# Allegro board Lay-45699_A.brd (continued)
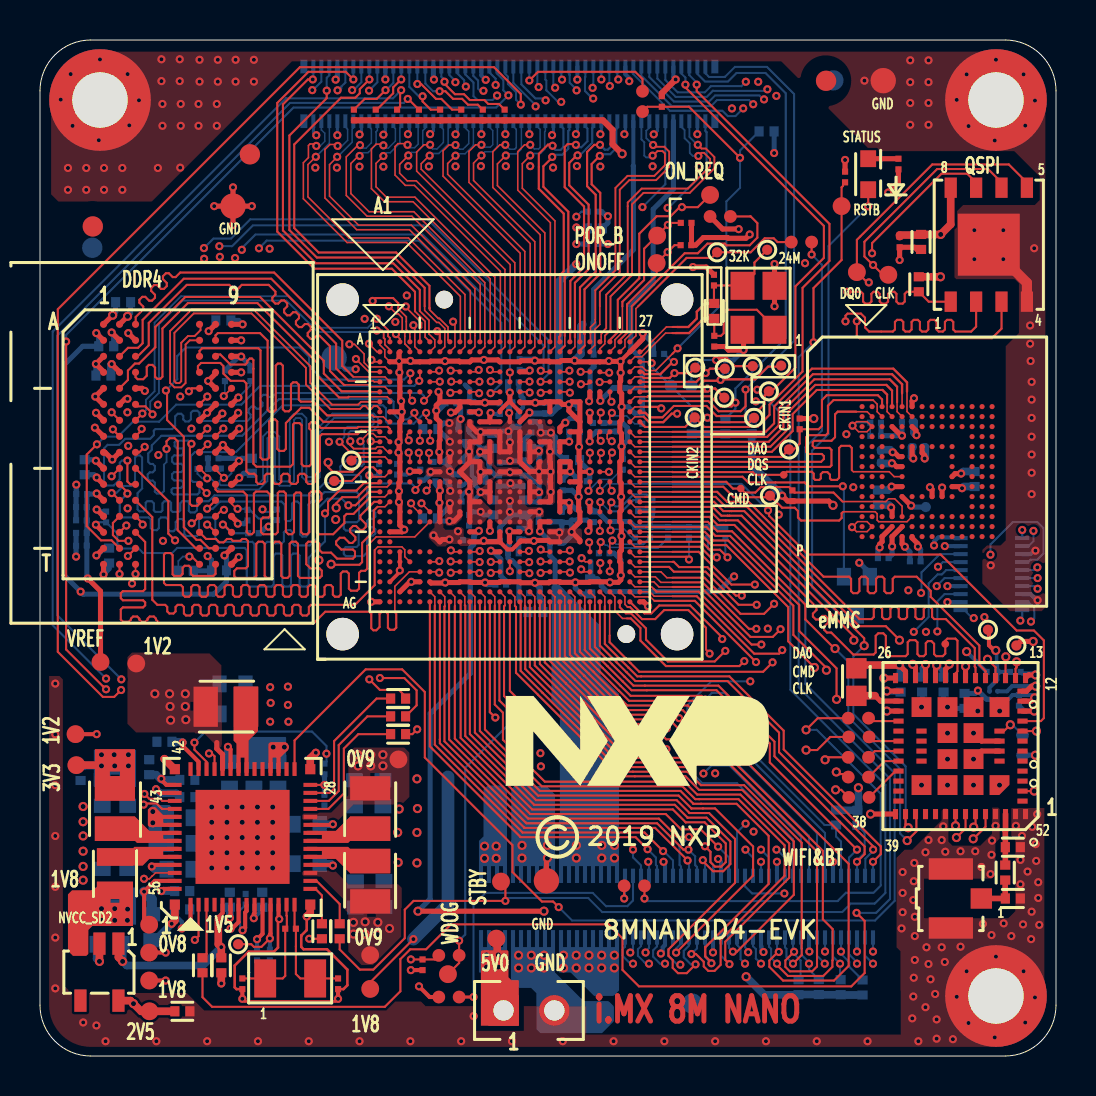
[diagram p0: board, top side]
## Routing (per net, layer and track width the routed paths; a pad name or vN(x,y) marks a point on that pad's centre or on a via; arc(x,y) is an arc through that point) (continued)
ENET_RX_CTL: length 21.9
  TOP w0.076: U1.AF27 30.49,23.21 30.71,22.99 31.63,22.99
  TOP w0.104: v1(37.11,20.3) 37.11,20.27 36.96,20.12 35.71,20.12 32.84,22.99 31.63,22.99
  L3_IN1 w0.081: v1(37.11,20.3) 37.76,20.3 39.32,21.86 45.35,21.86 45.74,21.46 48.71,21.46 v1(49.02,21.77)
  BOTTOM w0.104: J7.2 49.11,21.86 v1(49.02,21.77)
ENET_RXC: length 23.8
  TOP w0.076: 30.68,23.36 30.58,23.46 29.74,23.46 U1.AE26
  TOP w0.104: 30.68,23.36 30.82,23.22 32.93,23.22 35.58,20.57 v1(36.07,20.57)
  L3_IN1 w0.081: v1(36.07,20.57) 36.4,20.9 37.56,20.9 38.98,22.32 48.98,22.32 49.55,21.76 v1(49.55,21.72)
  BOTTOM w0.104: J7.4 49.43,22.7 49.71,22.41 49.71,21.89 v1(49.55,21.72)
ENET_TD0: length 19.1
  TOP w0.104: v1(34.11,20.85) 34.1,20.86 34.1,20.94 32.51,22.53 30.96,22.53 30.56,22.13 30.22,22.13 30.12,22.24 29.97,22.24 29.5,22.71 U1.AG26
  L3_IN1 w0.081: v1(44.84,23.49) 44.68,23.66 43.22,23.66 42.74,23.18 38.37,23.18 37.22,22.03 35.27,22.03 34.11,20.87 v1(34.11,20.85)
  BOTTOM w0.104: v1(44.84,23.49) 44.84,23.5 45.23,23.9 J7.9
ENET_TD1: length 21.4
  TOP w0.076: 30.72,22.76 30.52,22.96 29.74,22.96 U1.AF26
  TOP w0.104: 30.72,22.76 32.74,22.76 v1(35.8,19.7)
  L3_IN1 w0.081: v1(35.8,19.7) 35.84,19.66 35.84,19.61 36.13,19.31 37.63,19.31 39.73,21.41 43.49,21.41 v1(43.69,21.21)
  BOTTOM w0.104: J7.11 45.31,24.3 45.09,24.08 44.88,24.08 44.44,23.63 44.44,21.96 v1(43.69,21.21)
ENET_TD2: length 22.1
  TOP w0.104: v1(34.26,20.26) 33.74,19.73 31.39,19.73 30.3,20.82 30.3,21.38 29.55,22.13 29.3,22.13 28.99,22.44 U1.AG25
  L3_IN1 w0.081: v1(34.26,20.26) 34.18,20.26 33.73,20.71 33.73,21.02 35.64,22.93 36.49,22.93 37.52,23.96 41.73,23.96 42.24,24.46 v1(44.9,24.46)
  BOTTOM w0.104: J7.13 45.14,24.7 44.97,24.52 44.96,24.52 v1(44.9,24.46)
ENET_TD3: length 22.8
  TOP w0.076: 29.38,22.45 29.25,22.58 29.25,22.96 U1.AF25
  TOP w0.104: v1(33.48,20.12) 33.48,20.14 33.3,20.32 33.3,21.41 32.42,22.29 31.21,22.29 30.76,21.84 30.1,21.84 29.5,22.45 29.38,22.45
  L3_IN1 w0.081: v1(33.48,20.12) 33.5,20.09 33.5,20.08 33.69,19.89 34.42,19.89 34.64,20.1 34.64,20.7 35.76,21.82 37.48,21.82 38.57,22.92 43.87,22.92 44.05,23.1 v1(44.05,23.15)
  BOTTOM w0.104: J7.15 44.99,25.1 44.07,24.18 44.07,23.17 v1(44.05,23.15)
ENET_TX_CTL: length 22.5
  TOP w0.076: 29.36,21.88 29.13,21.88 28.75,22.26 28.75,22.96 U1.AF24
  TOP w0.104: v1(35.21,19.74) 34.97,19.5 31.3,19.5 30.02,20.77 30.02,21.4 29.54,21.88 29.36,21.88
  L3_IN1 w0.081: v1(35.21,19.74) 35.57,20.1 36.31,20.1 36.88,20.68 37.79,20.68 39.17,22.06 46.52,22.06 v1(46.69,21.9)
  BOTTOM w0.104: v1(46.69,21.9) 46.61,21.9 46.21,22.3 J7.1
ENET_TXC: length 23
  TOP w0.076: 28.48,21.02 28.48,22.7 U1.AG24
  TOP w0.104: 28.48,21.02 28.48,20.69 29.29,19.88 29.29,19.88 29.52,19.65 29.52,19.65 29.96,19.21 36.16,19.21 v1(36.63,19.68)
  L3_IN1 w0.081: v1(44.87,21.23) 44.48,21.62 39.52,21.62 37.59,19.68 v1(36.63,19.68)
  BOTTOM w0.104: J7.5 45.23,23.1 44.87,22.73 v1(44.87,21.23)
GPIO1_IO01: length 29.2
  TOP w0.076: U1.AF14 23.74,22.96 23.74,22.51
  TOP w0.104: 23.74,22.51 23.8,22.45 23.8,19.16 24.9,18.06 24.9,18.06 27.7,15.26 28.98,13.98 29.74,13.98 32.28,13.98 32.96,13.3 35.12,13.3 37.69,10.73 37.69,8.06 34.85,5.22 v1(34.65,5.22)
  BOTTOM w0.104: v1(34.65,5.22) 34.45,5.41 J5.64
GPIO1_IO05: length 33.1
  TOP w0.076: U1.AF12 22.74,22.96 22.74,22.52
  TOP w0.104: 22.74,22.52 22.74,17.57 23.15,17.17 23.15,15.81 25.24,13.72 32.22,13.72 32.86,13.07 35.02,13.07 37.46,10.63 37.46,8.91 34.26,5.71 34.26,4.8 v1(34.47,4.59)
  BOTTOM w0.104: J5.62 34.05,5.02 v1(34.47,4.59)
GPIO1_IO06: length 32.3
  TOP w0.104: U1.AG11 21.99,16.25 24.99,13.25 32.02,13.25 32.67,12.61 34.83,12.61 36.43,11.01 36.43,8.6 33.51,5.68
  TOP w0.114: v1(33.57,4.64) 33.57,4.68 33.26,4.99 33.26,5.43 33.51,5.68
  BOTTOM w0.104: v1(33.57,4.64) 33.25,4.96 J5.58
GPIO1_IO07: length 34.7
  TOP w0.076: U1.AF11 22.25,22.96 22.25,22.47
  TOP w0.104: 22.25,22.47 22.25,16.33 25.09,13.49 32.12,13.49 32.76,12.84 32.96,12.84 34.92,12.84 37.23,10.54 37.23,9.01 34.03,5.81 34.03,4.56 33.73,4.26 33.41,4.26 33.19,4.48 33.19,4.71 32.8,5.1 v1(32.57,5.1)
  BOTTOM w0.104: J5.56 32.85,5.38 v1(32.57,5.1)
GPIO1_IO08: length 33.2
  TOP w0.104: v1(32.78,4.58) 32.34,4.14 31.9,4.14 31.63,4.41 31.63,4.8 31.42,5.01 31.42,5.33 34.75,8.66 34.75,10.85 33.46,12.15 33.24,12.15 32.48,12.15 31.83,12.79 24.8,12.79 21.49,16.1 U1.AG10
  BOTTOM w0.104: v1(32.78,4.58) 32.54,4.58 32.19,4.93 32.19,5.26 32.45,5.52 J5.54
GPIO1_IO09: length 31.2
  TOP w0.076: U1.AF10 21.74,22.96 21.74,22.5
  TOP w0.104: v1(31.81,5.17) 35.65,9.02 35.65,10.48 33.75,12.38 33.15,12.38 32.57,12.38 31.93,13.02 24.9,13.02 21.74,16.17 21.74,22.5
  BOTTOM w0.104: v1(31.81,5.17) 31.81,5.37 32.05,5.62 J5.52
GPIO1_IO10: length 29.2
  TOP w0.076: U1.AD10 21.9,24.21 v1(21.97,24.15)
  L3_IN1 w0.081: v1(21.97,24.15) 21.91,24.09 21.91,21.9 28.21,15.59 28.21,15.19 31.66,11.74 33.45,11.74 34.49,10.71 34.49,9.47 32.2,7.18 32.2,4.75 v1(32.02,4.57)
  BOTTOM w0.104: J5.50 31.65,5.55 31.42,5.33 31.42,5.01 31.86,4.57 v1(32.02,4.57)
GPIO1_IO11: length 30
  TOP w0.076: v1(21.98,24.7) 21.97,24.71 U1.AC10
  L3_IN1 w0.081: v1(31.25,4.62) 31.43,4.8 31.43,6.85 34.28,9.7 34.28,10.62 33.37,11.53 31.58,11.53 28,15.11 28,15.51 21.62,21.89 21.62,24.34 v1(21.98,24.7)
  BOTTOM w0.104: J5.46 30.85,5.48 30.66,5.29 30.66,4.96 31,4.62 v1(31.25,4.62)
GPIO1_IO12: length 28
  TOP w0.076: U1.AB10 21.95,25.21 v1(21.98,25.25)
  L3_IN1 w0.081: v1(21.98,25.25) 21.46,24.72 21.46,21.75 27.79,15.42 27.79,15.02 31.49,11.32 32.6,11.32 32.82,11.11 32.82,9.99 32.77,9.94 32.77,8.74 30.28,6.25 v1(30.28,5.17)
  BOTTOM w0.104: J5.44 30.45,5.41 30.28,5.23 v1(30.28,5.17)
GPIO1_IO13: length 28.9
  TOP w0.076: U1.AD9 20.58,24.21 v1(20.54,24.16)
  L3_IN1 w0.081: v1(30.45,4.62) 30.08,4.24 29.5,4.24 29.14,4.6 29.14,6.27 31.55,8.67 31.55,10.38 27.17,14.76 27.17,15.12 20.67,21.62 20.67,24.03 v1(20.54,24.16)
  BOTTOM w0.104: v1(30.45,4.62) 30.29,4.62 29.9,5.01 29.9,5.34 30.05,5.49 J5.42
GPIO1_IO14: length 26.4
  TOP w0.076: v1(20.53,24.73) 20.55,24.71 U1.AC9
  L3_IN1 w0.081: v1(20.53,24.73) 20.92,24.34 20.92,21.71 27.38,15.25 27.38,14.85 31.76,10.47 31.76,10.29 31.76,8.46 29.51,6.22 v1(29.51,5.17)
  BOTTOM w0.104: J5.40 29.65,5.31 v1(29.51,5.17)
GPIO1_IO15: length 28.5
  TOP w0.076: U1.AB9 20.61,25.21 v1(20.54,25.28)
  L3_IN1 w0.081: v1(29.65,4.62) 29.9,4.87 29.9,6.23 31.96,8.29 31.96,10.2 31.96,10.2 31.96,10.38 31.96,10.55 27.59,14.93 27.59,15.33 21.13,21.79 21.13,24.69 v1(20.54,25.28)
  BOTTOM w0.104: J5.38 29.25,5.46 29.13,5.34 29.13,5.01 29.52,4.62 v1(29.65,4.62)
I2C1_SCL: length 81.8
  TOP w0.076: U1.E9 20.57,33.71 v1(20.56,33.72)
  TOP w0.104: R10.2 18.01,47.47 18.01,48.24 v1(18.06,48.29) ; v1(16.99,18.9) 18.21,18.9 18.83,18.28 18.83,17.53 R48.1
  L3_IN1 w0.081: v1(3.3,18.87) 3.64,19.2 16.69,19.2 v1(16.99,18.9) ; v1(18.06,48.29) 18.06,48.26 17.19,47.39 15.7,47.39 14.46,46.16 14.46,44.06 15.93,42.59 18.54,42.59 21.58,39.55 21.58,36.13 20.97,35.53 20.97,34.13 v1(20.56,33.72)
  BOTTOM w0.104: v1(18.06,48.29) 17.65,47.88 12.3,47.88 0.64,36.22 0.64,21.54 v1(3.3,18.87)
I2C1_SDA: length 74.2
  TOP w0.076: U1.F9 20.57,33.21 v1(20.52,33.16)
  TOP w0.104: R54.1 18.28,17.97 17.95,18.3 16.99,18.3 v1(16.47,18.83) ; v1(18.39,47.85) 18.41,47.85 R11.2
  L3_IN1 w0.081: v1(20.52,33.16) 20.54,33.16 21.21,33.83 21.21,35.31 21.85,35.94 21.85,39.8 17.75,43.9 17.75,47.22 v1(18.39,47.85) ; v1(4.07,18.83) 4.17,18.94 16.36,18.94 v1(16.47,18.83)
  BOTTOM w0.104: v1(18.39,47.85) 18.19,47.65 12.5,47.65 0.87,36.02 0.87,22.03 v1(4.07,18.83)
I2C2_SCL: length 23.9
  TOP w0.076: v1(21.94,34.3) 21.84,34.21 U1.D10
  TOP w0.104: v1(17.28,48.29) 16.84,47.86 16.23,47.86 R12.2
  L3_IN1 w0.081: v1(17.28,48.29) 16.86,48.71 16.86,48.95 17.11,49.2 18.79,49.2 19.5,48.49 19.5,47.24 19.07,46.81 19.07,43.95 22.63,40.39 22.63,35.77 21.85,34.99 21.85,34.38 21.93,34.3 v1(21.94,34.3)
  BOTTOM w0.104: v1(17.28,48.29) 17.3,48.29 17.67,48.66 J4.22
I2C2_SDA: length 24.9
  TOP w0.076: U1.D9 20.93,34.27 v1(20.53,34.27)
  TOP w0.104: R13.2 16.84,47.32 17.66,48.13 17.66,48.43 18.05,48.83 v1(18.06,48.83)
  L3_IN1 w0.081: v1(18.06,48.83) 18.06,48.82 17.65,48.41 17.65,48.14 17.11,47.6 15.61,47.6 14.23,46.22 14.23,44 15.99,42.24 18.33,42.24 21.33,39.24 21.33,36.31 20.63,35.62 20.63,34.37 v1(20.53,34.27)
  BOTTOM w0.104: v1(18.06,48.83) 18.07,48.83 J4.24
I2C3_SCL: length 20
  TOP w0.076: U1.E10 21.96,33.71 v1(21.97,33.72)
  TOP w0.104: R14.2 19.54,47.32 19.13,47.73 v1(19.13,47.98)
  L3_IN1 w0.081: v1(19.13,47.98) 19.13,47.4 18.79,47.07 18.79,43.72 22.33,40.19 22.33,35.73 21.59,34.99 21.59,34.09 v1(21.97,33.72)
  BOTTOM w0.104: v1(19.13,47.98) 18.94,47.98 18.47,48.46 J4.26
I2C3_SDA: length 22.1
  TOP w0.076: v1(21.96,33.14) 21.89,33.21 U1.F10
  TOP w0.104: R15.2 20.6,47.32 20.07,47.86 19.8,47.86 19.06,48.6 v1(18.87,48.6)
  L3_IN1 w0.081: v1(21.96,33.14) 21.41,33.68 21.41,35.07 22.06,35.72 22.06,40.03 17.98,44.11 17.98,46.92 18.76,47.7 18.76,48.49 v1(18.87,48.6)
  BOTTOM w0.104: v1(18.87,48.6) J4.28
I2C4_SCL: length 20.1
  TOP w0.076: U1.D13 22.59,34.21 v1(22.5,34.3)
  TOP w0.104: R16.2 21.89,47.57 21.4,47.57 21.11,47.86 20.65,47.86 20.27,48.24 v1(19.98,48.24)
  L3_IN1 w0.081: v1(19.98,48.24) 20.06,48.15 20.06,43.53 22.87,40.72 22.87,34.68 v1(22.5,34.3)
  BOTTOM w0.104: v1(19.98,48.24) 19.65,48.24 19.27,48.62 J4.30
I2C4_SDA: length 21.4
  TOP w0.076: U1.E13 22.56,33.71 v1(22.54,33.73)
  TOP w0.104: v1(20.22,48.71) 20.22,48.61 20.75,48.09 21.2,48.09 21.49,47.8 22.22,47.8 22.41,47.6 22.95,47.6 R17.2
  L3_IN1 w0.081: v1(20.22,48.71) 20.35,48.58 20.35,43.92 23.13,41.15 23.13,34.3 22.56,33.73 v1(22.54,33.73)
  BOTTOM w0.104: J4.34 20.07,48.97 20.22,48.81 v1(20.22,48.71)
INTLDO_1V5: length 4.1
  TOP w0.104: v1(11.49,5.88) 11.07,5.46 10.69,5.46 10.56,5.59 TP52.1
  TOP w0.203: U8.11 11.53,6.11 11.49,6.07 v1(11.49,5.88)
  BOTTOM w0.203: C273.1 v1(11.49,5.88)
JTAG_MOD: length 2.7
  TOP w0.114: U1.D27 30.12,34.21 30.23,34.1 31.02,34.1 31.63,34.7 v1(31.7,34.7)
  BOTTOM w0.104: R23.1 31.61,34.7 v1(31.7,34.7)
JTAG_NTRST: length 25
  TOP w0.114: TP1.1 34.73,34.49 34.32,34.9 33.91,34.9 v1(33.81,34.8)
  L3_IN1 w0.081: v1(26.06,47.71) 26.89,46.88 27.12,46.88 27.54,46.46 28.17,46.46 28.6,46.03 28.6,44.71 29.24,44.07 32.47,44.07 33.64,42.89 33.64,34.96 v1(33.81,34.8)
  BOTTOM w0.104: J4.60 25.27,48.82 25.32,48.77 25.32,48.29 25.9,47.71 v1(26.06,47.71) ; v1(33.81,34.8) 33.04,34.8 32.56,34.32 R155.2
JTAG_SEL: length 1.5
  TOP w0.104: v2(48.52,16.56) 48.2,16.25 U6.57
  BOTTOM w0.104: v2(48.52,16.56) 48.62,16.56 R154.1
JTAG_TCK: length 29.8
  TOP w0.076: U1.F26 29.74,33.46 30.24,33.46
  TOP w0.104: 35.76,33.83 36.4,34.47 37.01,34.47 TP4.1 ; 30.25,33.47 32.92,33.47
  TOP w0.114: 30.24,33.46 30.25,33.47 ; 35.76,33.83 34.06,33.83 v1(34.03,33.8) 33.98,33.76 33.21,33.76 32.92,33.47
  L3_IN1 w0.081: v1(25.76,48.41) 25.88,48.41 27.2,47.09 27.21,47.09 27.63,46.67 30.63,46.67 31.87,45.43 31.87,44.96 33.85,42.98 33.85,35.36 34.24,34.98 34.24,34.02 v1(34.03,33.8)
  BOTTOM w0.104: v1(34.03,33.8) 34.03,33.97 R18.1 ; v1(25.76,48.41) 25.67,48.5 J4.62
JTAG_TDI: length 26.8
  TOP w0.104: 32.81,33.7 30,33.7 U1.E27
  TOP w0.114: 32.81,33.7 33.26,34.15 v1(33.28,34.15) 33.5,34.37 TP2.1
  L3_IN1 w0.081: v1(33.28,34.15) 33.23,34.21 33.23,42.72 32.3,43.65 27.78,43.65 27.31,44.12 27.31,46.11 26.95,46.46 26.49,46.46 25.3,47.65 25.3,47.77 v1(25.28,47.78)
  BOTTOM w0.104: J4.54 24.07,48.58 24.77,47.88 25.19,47.88 v1(25.28,47.78)
JTAG_TDO: length 26.6
  TOP w0.076: U1.E26 29.75,33.96 30.12,33.96 30.18,33.9
  TOP w0.114: TP5.1 32.49,34.14 v1(31.72,34.14) 31.48,33.9 30.18,33.9
  L3_IN1 w0.081: v1(31.72,34.14) 33.02,35.44 33.02,42.64 32.21,43.44 26.89,43.44 26.39,43.94 26.39,46.08 24.98,47.48 v1(24.78,47.48)
  BOTTOM w0.104: J4.52 23.67,48.65 24.78,47.54 v1(24.78,47.48)
JTAG_TMS: length 27.3
  TOP w0.104: 30.01,33.23 33.26,33.23
  TOP w0.114: 33.26,33.23 33.37,33.34 v1(33.37,33.37) 33.38,33.37 33.76,33.37 TP3.1 ; U1.F27 30.01,33.23
  L3_IN1 w0.081: v1(33.37,33.37) 33.66,33.65 33.66,34.3 33.43,34.52 33.43,42.81 32.39,43.86 27.98,43.86 27.56,44.27 27.56,46.15 27.04,46.67 26.57,46.67 25.65,47.59 25.65,47.94 25.14,48.45 v1(24.93,48.45)
  BOTTOM w0.104: J4.58 24.87,48.51 v1(24.93,48.45)
M.2_32K_OUT: length 1.8
  TOP w0.104: R116.2 v1(29.21,7.87)
  BOTTOM w0.104: v1(29.21,7.87) 29.25,7.91 J5.37
NVCC_1V8: length 71.3
  TOP w0.076: v1(5.2,8.86) 5.47,8.86 5.6,8.99 5.61,8.99 5.77,9.15 U8.54
  TOP w0.203: U8.56 6.17,8.36 v1(6.06,8.25) ; U8.43 6.32,13.55 6.07,13.81 v1(6.07,13.86) ; R106.1 v1(18.54,4.29)
  TOP w0.254: v1(26.46,30.72) 26.45,30.71 U1.L19 U1.M19 ; v1(22.53,32.16) 22.49,32.12 U1.J12 ; v1(43.82,31.04) 43.8,31.07 43.8,31.28 U4.C6 ; U1.V19 U1.U19 ; U1.U19 26.41,27.71 v1(26.46,27.67) 26.49,27.63 U1.V20 ; U1.U19 U1.T19 ; v1(22.5,26.26) 22.49,26.26 U1.W12 ; v2(39.65,27.54) 39.44,27.75 R118.1 37.38,27.75 v1(37.11,28.02) ; U1.AB13 22.6,25.21 v1(22.54,25.26) ; U1.J12 U1.J13 ; U1.J12 U1.J11 ; U4.P5 43.1,25.6 v1(43.24,25.46) ; U4.N4 U4.P3 42.1,25.71 41.98,25.59 v1(41.98,25.43) ; U4.M4 42.6,27.38 v1(42.56,27.43) ; R117.1 v2(38.69,31.87)
  TOP w0.305: v2(29.11,45.11) 28.63,45.59 28.63,46.31 28.15,46.78 R17.1 R16.1 R15.1 R14.1 R11.1 R10.1 R13.1 R12.1
  TOP w0.381: U5.8 45.54,41.58 v2(45.03,41.08) C139.1 44.02,41.05 42.98,41.05 C138.1 ; R37.1 v2(45.02,38.96)
  L3_IN1 w0.076: v1(5.2,8.86) 4.38,8.04 v2(4.38,7.34)
  L3_IN1 w0.254: v1(26.46,30.72) 26.5,30.68 26.5,30.27 26.97,29.79 26.97,29.05 26.46,28.54 v1(26.46,27.67) 25.52,26.73 24.29,26.73 23.99,26.43 23.99,26.05 23.2,25.26 22.55,25.26 v1(22.54,25.26) 22.64,25.36 22.64,26.11 v1(22.5,26.26)
  L5_PWR_2 w0.254: v1(22.53,32.16) 23.01,32.64 23.67,32.64 23.94,32.36 23.94,32 24.19,31.74 25.58,31.74 26.46,30.86 v1(26.46,30.72)
  BOTTOM w0.203: v1(22.53,32.16) 22.58,32.1 C5.1
  BOTTOM w0.254: v1(43.24,25.46) 43.5,25.21 C132.1 ; C133.1 41.9,25.34 v1(41.98,25.43) ; v1(26.46,30.72) 26.46,30.72 C241.1 ; C146.1 46.76,18.13 v1(46.9,18.27) 47.33,17.84 U7.A1 ; C3.1 26.8,27.33 v1(26.46,27.67) 26.09,27.3 C23.1 ; R77.2 v1(36.71,45.15) ; C21.1 23.3,23.75 23.04,24.01 23.04,24.85 22.62,25.26 22.55,25.26 v1(22.54,25.26)
  BOTTOM w0.381: R78.2 32.59,31.1 R47.2 35.58,31.1 R79.2 35.59,29.54 v1(37.11,28.02) ; C130.1 42.44,27.55 v1(42.56,27.43) ; C131.1 43.7,31.72 43.7,31.16 v1(43.82,31.04) ; C266.1 5.81,14.07 6.01,13.86 v1(6.07,13.86) 6.12,13.81 C13.2 ; v1(6.06,8.25) C18.2
  vias: v2(3.07,7.37) v2(3.07,6.78) v2(3.73,7.37) v2(3.73,6.78) v2(4.37,6.78) v2(26.18,5.04) v2(26.18,4.4) v2(26.81,5.04) v2(26.81,4.4) v2(27.45,5.04) v2(27.45,4.4) v2(28.08,5.04) v2(28.08,4.4) v2(28.72,5.04) v2(28.72,4.4)
NVCC_3V3: length 62
  TOP w0.104: v1(5.18,12.57) 5.24,12.63 5.83,12.63 6.1,12.36 U8.46
  TOP w0.203: U8.7 9.93,6.69 9.6,6.36 v1(9.53,6.36) ; v1(7.09,6.38) 7.53,6.81 U8.1
  TOP w0.254: U4.E6 43.6,30.04 43.66,29.98 v1(43.66,29.88) ; R125.1 42.92,43.69 v1(42.41,43.17) ; U4.J10 46.02,28.47 v1(46.1,28.39) ; v2(44.28,19.57) U6.23 ; v1(21.94,26.26) 21.9,26.21 U1.Y10 ; U1.W18 U1.W17 24.99,26.24 v1(25,26.23) ; v1(42.63,30.19) 42.71,30.19 42.93,29.97 U4.F5 ; U6.22 44.78,19.48 v2(44.83,19.53) ; U1.H10 21.92,32.21 v1(21.94,32.18) ; v2(25.2,7.24) v2(18.9,7.24) ; U1.K19 25.99,31.41 26.25,31.67 v1(26.26,31.67) ; U4.K9 v1(45.1,28.42)
  TOP w0.381: v2(3.07,14.51) 3.04,14.54 TP25.1
  L3_IN1 w0.081: v1(5.18,12.57) 4.38,13.37 4.38,14.42 4.42,14.45 v2(4.42,14.51)
  BOTTOM w0.203: R153.1 46.81,19.72 46.81,19.74 v2(46.33,20.22) ; v1(7.09,6.38) 7.09,6.71 6.74,7.07 C14.2
  BOTTOM w0.254: v1(26.26,31.67) 26.28,31.67 26.49,31.88 26.93,31.88 ; 25.76,23.27 25.76,24.76 25.5,25.02 C6.1 25.5,25.74 v1(25,26.23) ; v2(44.83,19.53) 45.18,19.19 C143.1 ; v2(18.9,7.24) 19.51,7.85 19.51,17.12 21.51,19.13 21.51,25.4 21.69,25.58 C264.1 21.69,26.01 v1(21.94,26.26) ; v2(44.28,19.57) 44.11,19.4 C142.1 ; C8.1 21.93,32.19 v1(21.94,32.18)
  BOTTOM w0.381: C129.1 43.58,30.46 43.58,29.96 v1(43.66,29.88) ; R97.2 39.81,12.29 R95.2 40.92,12.34 v2(40.92,13.41) ; v2(35.31,3.96) 36.21,3.06 R76.2 37.94,3.07 R75.2 38.95,3.06 R72.2 40.05,3.05 R71.2 ; v1(46.1,28.39) 46.18,28.47 C127.1 ; C128.1 42.03,30.31 42.51,30.31 v1(42.63,30.19)
  BOTTOM w0.406: C260.1 3.05,14.52 v2(3.07,14.51)
  vias: v2(3.07,15.06) v2(3.71,15.06) v2(3.73,14.51) v2(4.42,15.06) v2(26.82,10.53) v2(26.82,9.9) v2(28.09,10.53) v2(28.09,9.9) v2(28.72,10.53) v2(28.72,9.9)
NVCC_DRAM_1V2: length 28
  TOP w0.254: v1(20.47,26.75) 20.7,26.75 20.99,27.04 U1.V9 ; U2.C1 v1(2.8,34.6) 3.18,34.22 U2.D1 ; v1(4.37,32.86) 4.25,32.86 U2.F2 ; U1.V8 v1(20.49,27.64) ; U2.D9 v1(10.06,34.18) ; U2.J1 3.25,30.18 v1(3.61,29.82) U2.J2 ; U2.J9 9.51,30.18 v1(9.15,30.55) U2.J8 ; v1(9.91,32.16) 9.91,32.11 U2.G9 ; 8.84,15.67 8.84,15.37 9.13,15.08 U8.38 ; v1(9.96,28.91) 9.63,28.58 U2.L9 ; U2.A1 v2(3.63,37.04) ; U2.B3 v1(4.41,36.15) ; U2.G7 v1(8.35,32.16) U2.F8 ; U2.R1 v1(2.82,25.03) ; U2.T9 v1(9.94,24.94) ; U2.B9 v1(10.06,35.78) ; U1.P7 v1(19.53,29.21) ; U2.G1 v1(2.8,32.16) ; U2.A9 v1(10.13,36.58) ; U1.N8 v1(20.49,30.16) ; U2.L1 v1(2.84,28.92)
  BOTTOM w0.254: v2(3.63,37.04) 3.78,37.19 C105.1 ; v1(11.43,26.47) 11.38,26.42 11.28,26.42 11,26.14 R139.2 ; v1(20.51,28.26) 20.49,28.28 20.49,28.54 C93.1 ; C106.1 2.7,29.06 v1(2.84,28.92) ; v1(20.49,30.71) 20.37,30.84 20.37,30.87 C89.1 20.19,31.65 v1(20.47,31.65) ; v1(20.49,29.24) 20.49,29.42 C92.1 20.49,29.99 v1(20.49,30.16) ; v1(20.49,27.64) 20.49,27.5 C88.1 20,26.75 v1(20.47,26.75) ; C95.1 20.91,31.74 v1(21.03,31.85) 21.03,32.42 C94.1 ; R63.1 1.8,25.52 C390.1 v1(1.8,24.97) ; C113.1 10.19,29.13 v1(9.96,28.91) ; v1(2.8,34.6) 2.8,34.6 C108.1 ; C114.1 9.93,36.78 v1(10.13,36.58) ; v1(19.53,29.21) 19.53,29.11 19.2,28.78 C91.1 ; C109.1 3.22,25.4 2.85,25.03 v1(2.82,25.03)
  BOTTOM w0.305: v1(20.49,29.24) 20.65,29.08 C90.1
  vias: v2(5.74,18.11) v2(6.48,18.11) v2(6.5,17.48) v2(6.53,16.79) v2(7.27,18.11) v2(7.27,17.48) v2(7.29,16.82)
NVCC_ENET: length 21.8
  TOP w0.254: v1(27.42,26.25) 27.49,26.33 U1.W22
  L3_IN1 w0.254: v1(44.7,25.53) 44.32,25.91 37.79,25.91 35.94,24.06 34.94,24.06 34.86,23.98 v1(34.7,23.98)
  BOTTOM w0.203: J7.19 45.73,25.9 45.7,25.93 44.91,25.93 44.7,25.72 v1(44.7,25.53)
  BOTTOM w0.254: 27.54,24.74 27.54,23.88 C2.1 27.87,23.86 28.06,23.66 28.06,23.5 28.35,23.22 33.91,23.22 34.67,23.98 34.7,23.98 v1(34.7,23.98)
NVCC_SD2: length 66.2
  TOP w0.203: U8.55 5.74,8.76 v1(5.21,8.22) 5.21,6.82 TP33.1
  TOP w0.254: v1(27.46,27.69) 27.49,27.66 U1.V22
  L3_IN1 w0.559: v1(5.21,8.22) 5.21,3.76 6.73,2.24 19.51,2.24 20.35,3.08 20.35,6.52 23.45,9.62 23.45,11.08 25.83,13.46 25.83,14.58 25.27,15.14 v1(25.02,15.14)
  L5_PWR_2 w0.381: v1(25.02,15.14) 25.12,15.24 25.66,15.24 27.68,17.26 27.68,21.81 29.77,23.89 29.77,26.34 29.08,27.02 27.81,27.02 27.46,27.37 v1(27.46,27.69)
  BOTTOM w0.254: R124.1 30.62,27.26 R123.1 30.62,26.96 30.51,26.85 R122.1 ; R126.1 33.4,26.43 R121.1 32.45,26.44 R133.1 R119.1 31.4,26.46 R122.1 ; R122.1 R120.1 29.49,26.72 28.38,26.72 27.87,27.23 C17.1 27.46,27.46 v1(27.46,27.69)
  BOTTOM w0.508: C365.1 5.59,7.84 v1(5.21,8.22)
NVCC_SNVS_1V8: length 102.4
  TOP w0.104: U8.28 v1(14.22,13.55)
  TOP w0.203: U8.10 11.13,6.11 10.86,5.84 v1(10.85,5.84) ; TP28.1 v1(6.28,3.77)
  TOP w0.254: v1(27.49,32.16) 27.49,32.16 U1.J22 ; R20.1 32.57,40.55 R21.1 32.79,40.54 33.17,40.92 34.37,40.92 34.41,40.89 35.3,40.89 v1(35.49,41.08) ; v1(40.25,44.8) R102.1
  L3_IN1 w0.203: 11.21,7.05 11.18,7.05 10.24,7.98 7.09,7.98 5.79,6.68 5.79,4.27 v1(6.28,3.77)
  L3_IN1 w0.254: v1(35.49,41.08) 39.21,44.8 v1(40.25,44.8)
  L3_IN1 w0.381: v1(14.22,13.55) 13.89,13.23 13.89,9.73 11.21,7.05 11.21,6.66 10.85,6.3 v1(10.85,5.84)
  L5_PWR_2 w0.254: v1(27.49,32.16) 27.49,31.95 27.71,31.73 29.21,31.73 29.57,32.08 29.57,35.24 26.24,38.57 26.24,39.88 26.44,40.08 28.83,40.08 29.82,41.08 33.35,41.08 34.11,41.84 35.14,41.84 35.49,41.49 v1(35.49,41.08)
  L5_PWR_2 w0.381: v1(35.49,41.08) 35.49,39.07 32.54,36.12 32.54,31.14 33.11,30.57 33.11,20.55 31.51,18.95 31.51,18.33 26.49,13.31 14.46,13.31 v1(14.22,13.55)
  BOTTOM w0.203: v1(10.85,5.84) C333.1
  BOTTOM w0.254: C391.1 27.49,31.81 v1(27.49,32.16) ; R61.1 14.23,13.56 v1(14.22,13.55) 14.22,13.55 C272.2
ONOFF: length 24.4
  TOP w0.104: U1.A25 28.99,35.8 29.35,36.16 29.35,37.58 30.83,39.06 TP7.1 v1(31.38,40.19) 31.73,40.54 R21.2
  L3_IN1 w0.081: v1(31.38,40.19) 32.68,41.49 32.68,42.68 32.13,43.23 26.46,43.23 26.13,43.56 26.13,46.04 25.33,46.84 24.83,46.84 24.41,47.26 24.41,47.76 23.62,48.55 v1(22.78,48.55)
  BOTTOM w0.104: J4.46 22.47,49.18 22.78,48.86 v1(22.78,48.55)
PCIE_CLKN: length 12.8
  TOP w0.104: 27.35,45.2 27.71,45.56 v1(28,45.56)
  TOP w0.107: U1.A21 27,35.71 27,38.43 27.78,39.21 27.78,43.06 27.35,43.49 27.35,43.68 27.35,43.68 27.35,45.2
  BOTTOM w0.104: 28.47,46.57 J4.75
  BOTTOM w0.107: v1(28,45.56) 28.24,45.32 28.39,45.32 28.58,45.5 28.58,46.26 28.47,46.37 28.47,46.57
PCIE_CLKP: length 12.9
  TOP w0.076: 27.24,36.1 27.24,35.52
  TOP w0.104: v1(27.99,45.01) 27.58,44.6
  TOP w0.107: 27.58,44.6 27.58,43.59 28.01,43.16 28.01,39.12 27.23,38.33 27.23,36.11 27.24,36.1 ; U1.B21 26.99,35.27 27.24,35.52
  BOTTOM w0.104: 28.87,46.4 J4.77
  BOTTOM w0.107: v1(27.99,45.01) 28.07,45.09 28.51,45.09 28.81,45.39 28.81,46.34 28.87,46.4
PCIE_RXN: length 13
  TOP w0.104: 24.94,44.45 24.94,45.11 25.4,45.57 25.57,45.57 v1(25.63,45.51)
  TOP w0.107: U1.A19 25.97,35.74 25.97,35.96 26.01,36.01 26.01,39.06 26.19,39.24 26.19,42.12 24.94,43.36 24.94,44.45
  BOTTOM w0.104: J4.63 26.07,46.48
  BOTTOM w0.107: v1(25.63,45.51) 25.63,45.44 25.77,45.3 26.03,45.3 26.17,45.44 26.17,46.38 26.07,46.48
PCIE_RXP: length 13
  TOP w0.076: 26.24,36.01 26.24,35.51
  TOP w0.104: v1(25.61,44.95) 25.61,44.93 25.17,44.49
  TOP w0.107: 26.24,36.01 26.24,38.97 26.42,39.14 26.42,42.21 25.17,43.46 25.17,44.49 ; U1.B19 25.99,35.27 26.24,35.51
  BOTTOM w0.104: 26.47,46.57 J4.65
  BOTTOM w0.107: v1(25.61,44.95) 25.72,45.06 26.11,45.06 26.41,45.36 26.41,46.25 26.47,46.31 26.47,46.57
PCIE_TXN: length 12.9
  TOP w0.104: 26.23,45.45 26.38,45.59 26.76,45.59 v1(26.8,45.56)
  TOP w0.107: U1.A20 26.51,35.72 26.51,36.23 26.52,36.24 26.52,38.75 27.2,39.44 27.2,42.47 26.23,43.44 26.23,45.45
  BOTTOM w0.104: J4.69 27.27,46.47
  BOTTOM w0.107: v1(26.8,45.56) 26.92,45.44 27.07,45.44 27.37,45.74 27.37,46.37 27.27,46.47
PCIE_TXP: length 12.9
  TOP w0.076: 26.75,35.94 26.75,35.46 U1.B20
  TOP w0.104: 26.46,44.66 26.84,45.03 v1(26.88,45.03)
  TOP w0.107: 26.46,44.66 26.46,43.54 27.43,42.57 27.43,39.34 26.75,38.66 26.75,35.94
  BOTTOM w0.104: J4.71 27.67,46.57
  BOTTOM w0.107: 27.67,46.57 27.67,46.44 27.61,46.38 27.61,45.65 26.99,45.03 v1(26.88,45.03)
PDM_CLK: length 22.3
  TOP w0.076: U1.AC15 24.44,24.71 v1(24.46,24.69)
  L3_IN1 w0.081: v1(35.28,11.62) 33.84,13.06 31.82,13.06 29.25,15.63 29.25,16.02 24.12,21.15 24.12,24.36 v1(24.46,24.69)
  BOTTOM w0.104: J5.65 34.85,11.19 v1(35.28,11.62)
PDM_DATA0: length 25.8
  TOP w0.076: U1.AD18 25.08,24.21 v1(25.03,24.15)
  L3_IN1 w0.081: v1(25.03,24.15) 25.13,24.05 25.13,20.86 29.67,16.32 29.67,15.8 31.71,13.75 34.41,13.75 37.22,10.94 v1(37.22,8.13)
  BOTTOM w0.104: J5.67 35.25,8.48 35.61,8.13 v1(37.22,8.13)
PDM_DATA1: length 21.8
  TOP w0.102: U1.AC14 v1(23.49,24.24)
  L3_IN1 w0.081: v1(23.49,24.24) 23.49,21.19 28.84,15.85 28.84,15.45 31.92,12.37 33.71,12.37 35.27,10.81 v1(35.27,10.32)
  BOTTOM w0.104: v1(35.27,10.32) 35.27,10.3 35.65,9.92 J5.69
PDM_DATA2: length 22.9
  TOP w0.076: v1(22.54,24.15) 22.59,24.21 U1.AD13
  L3_IN1 w0.081: v1(36.05,9.71) 35.06,9.71 34.69,10.08 34.69,10.8 33.54,11.95 31.75,11.95 28.42,15.28 28.42,15.68 22.64,21.46 22.64,24.06 v1(22.54,24.15)
  BOTTOM w0.104: J5.71 v1(36.05,9.71)
PDM_DATA3: length 24
  TOP w0.076: v1(22.54,24.71) 22.54,24.71 U1.AC13
  L3_IN1 w0.081: v1(22.54,24.71) 22.92,24.33 22.92,21.48 28.63,15.77 28.63,15.37 31.84,12.16 33.63,12.16 34.9,10.88 34.9,10.16 35.12,9.95 35.68,9.95 v1(36.05,10.32)
  BOTTOM w0.104: v1(36.05,10.32) 36.45,9.92 J5.73
PHY_VREF: length 2.7
  TOP w0.104: U1.P1 16.89,29.21 16.66,29.44 16.28,29.44 15.59,28.75 TP58.1
PMIC_NINT: length 24.7
  TOP w0.076: 23.25,22.53 23.25,22.96 U1.AF13
  TOP w0.104: U8.39 8.73,14.98 8.58,15.13 v1(8.45,15.13) ; v1(24.07,16.06) 24.07,17.13 23.2,18 23.2,22.48 23.25,22.53
  L3_IN1 w0.081: v1(8.45,15.13) 8.57,15.01 12.82,15.01 13.35,15.55 23.56,15.55 v1(24.07,16.06)
PMIC_ON_REQ: length 99.3
  TOP w0.104: v1(3.3,18.34) 3.15,18.49 3.14,18.49 1.31,20.33 v1(1.31,35.72) ; U1.A24 28.49,35.8 28.89,36.2 28.89,37.81 29.96,38.88 29.96,41.11 30.84,41.99 31.53,41.99 31.98,42.44 v1(32.1,42.44) 32.89,42.44 TP6.1 ; R51.1 v1(13.46,5.86)
  L3_IN1 w0.081: v1(23.42,48.03) 23.42,47.66 24.88,46.2 24.88,43.95 26.02,42.82 31.72,42.82 v1(32.1,42.44) ; v1(13.46,5.86) 15.01,7.42 15.01,13.69 14.48,14.23 9.4,14.23 6.44,11.26 4.9,11.26 2.46,13.7 2.46,17.5 v1(3.3,18.34)
  BOTTOM w0.104: J4.48 22.87,49.1 23.16,48.81 23.16,48.29 v1(23.42,48.03) 22.81,47.42 12.67,47.42 1.31,36.05 v1(1.31,35.72)
PMIC_STBY_REQ: length 70.3
  TOP w0.076: U1.E24 28,33.71 v1(27.98,33.7)
  TOP w0.104: R52.1 14.98,5.33 15.99,4.32 16.67,4.32 18.24,5.89 18.24,7.32 18.68,7.76 v1(23.27,7.76) 23.27,8.5 TP10.1